# Altium PCB Lancelot.PcbDoc (part 3 of 14)
Units mil, origin at the board's own origin, x right, y up, seen from the top; angles counter-clockwise.
Board outline 4837.61 x 3252.61 mil, 6 copper layers (Top Layer, Mid-Layer 1, Mid-Layer 2, Mid-Layer 3, Mid-Layer 4, Bottom Layer); 372 components, 275 nets, 2062 pads, 1350 vias.
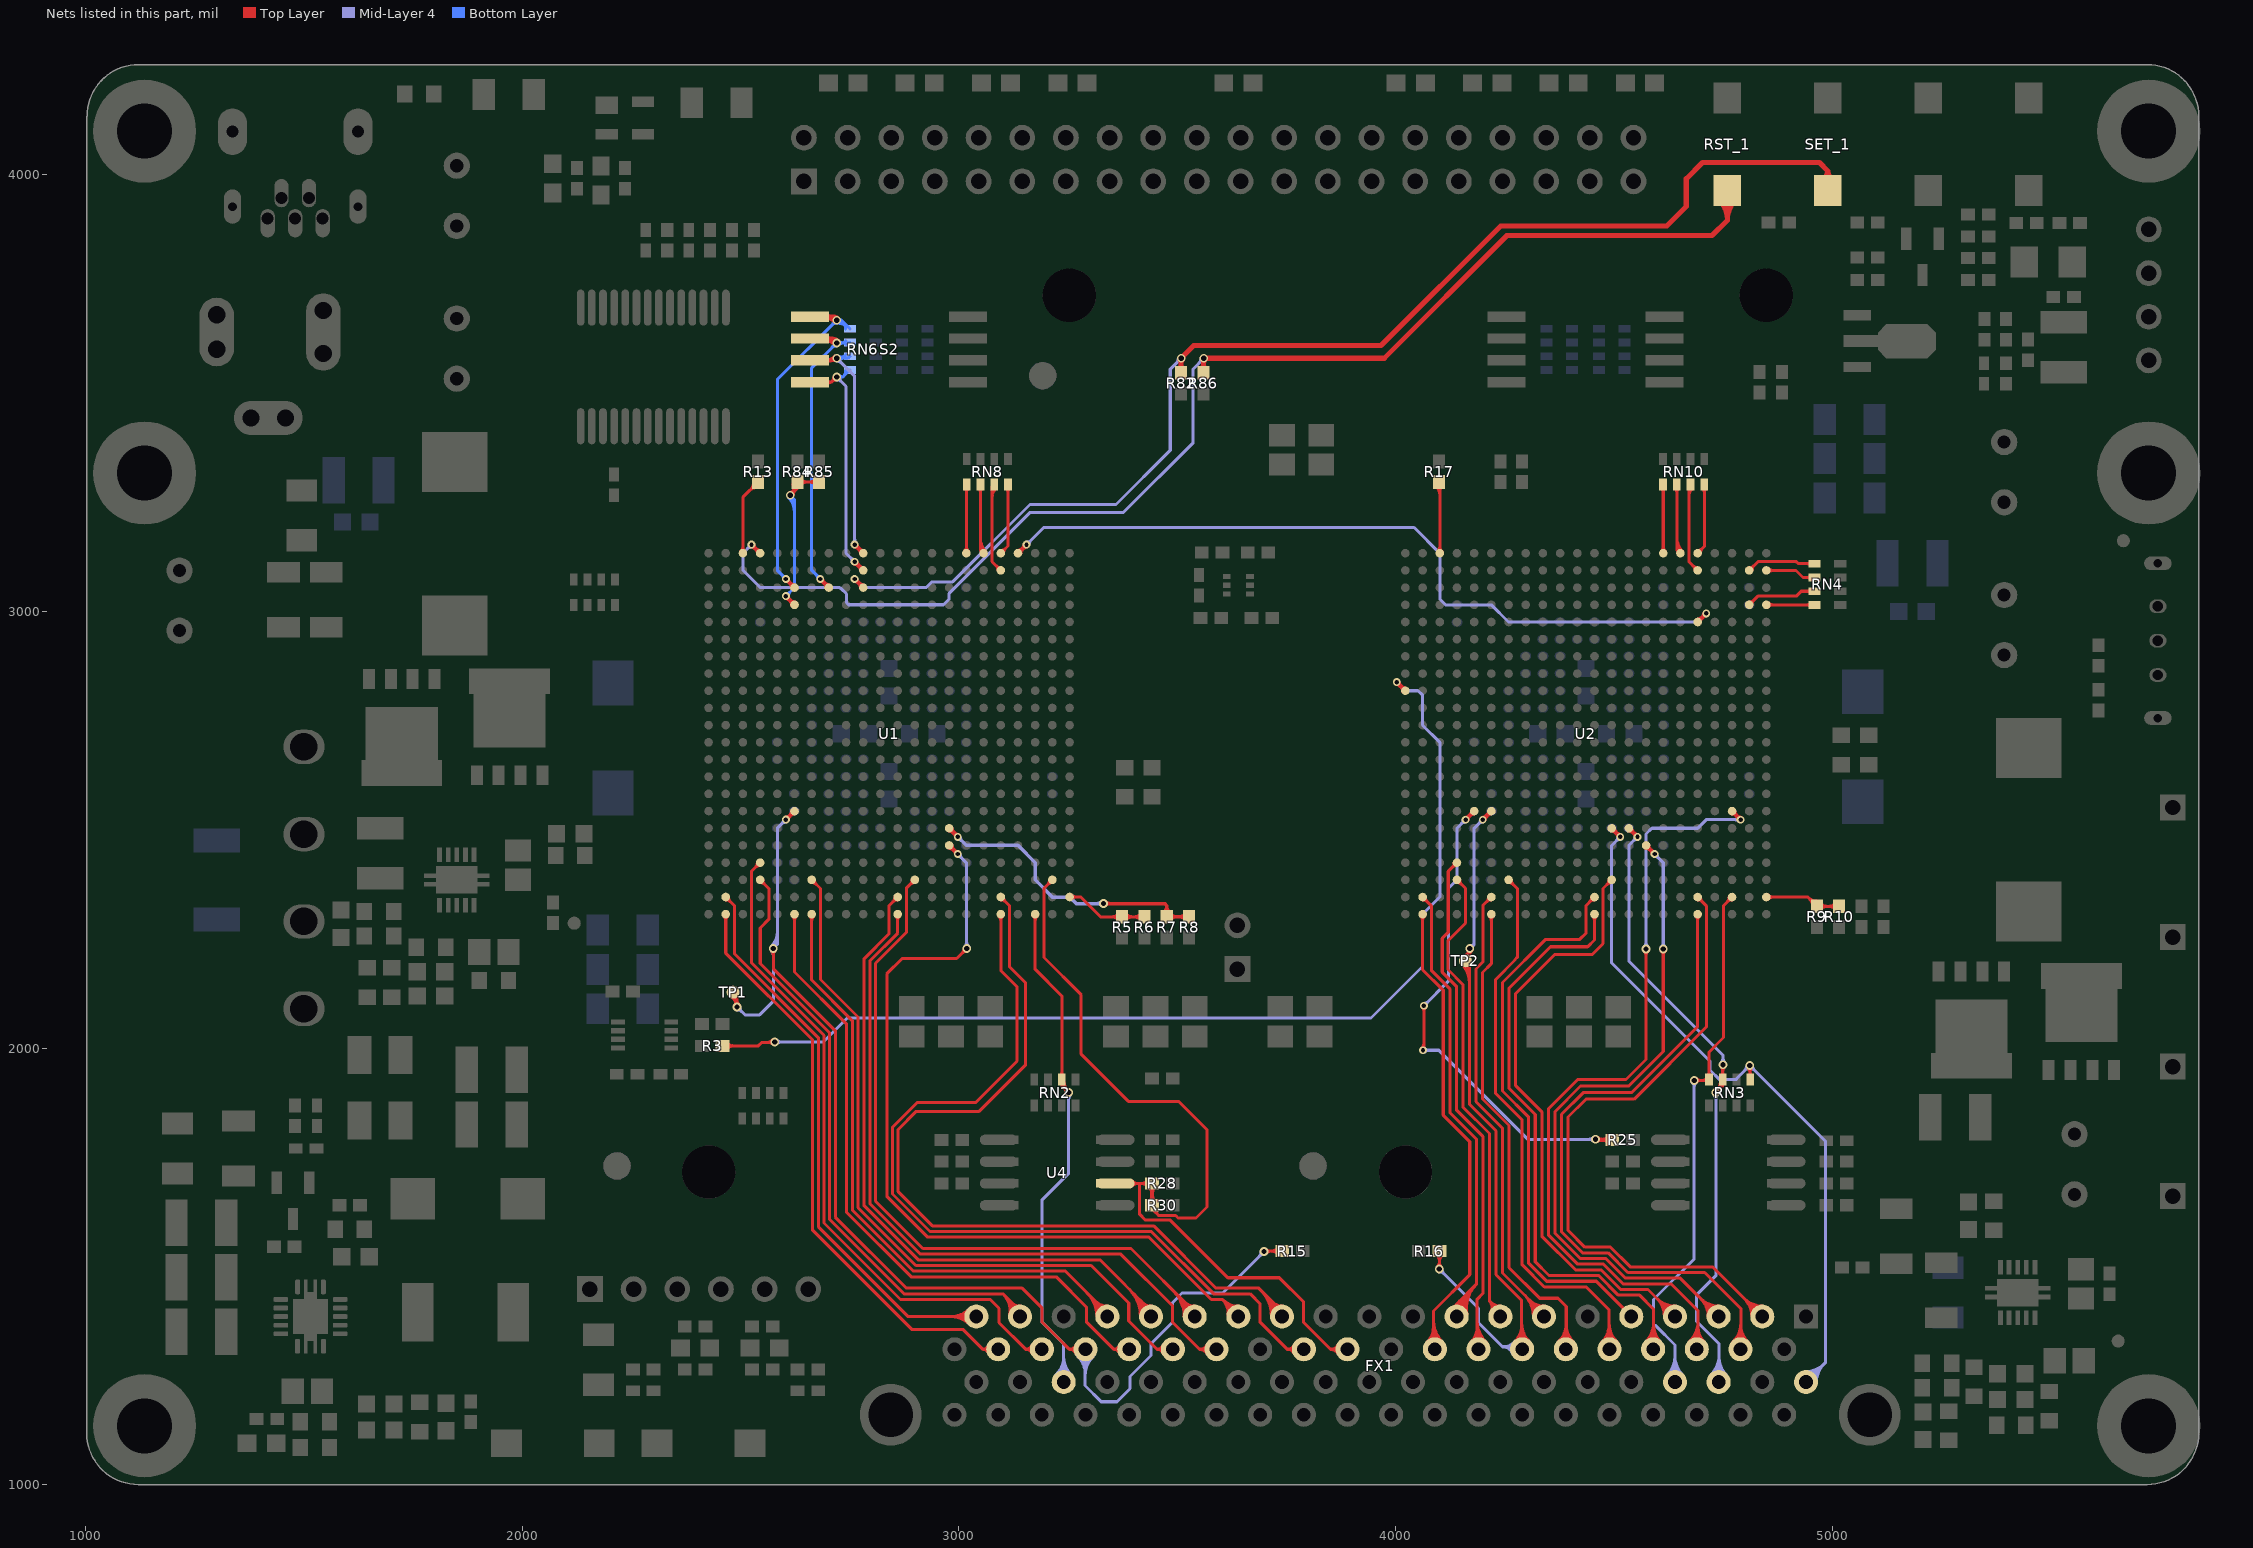
[diagram p7: the nets of this part, all layers, seen from the top]

## Via types
v1: diameter 18, hole 10, Top Layer to Bottom Layer, tented both sides, 625 vias
v2: diameter 20, hole 12, Top Layer to Bottom Layer, tented both sides, 515 vias
v3: diameter 32, hole 18, Top Layer to Bottom Layer, tented both sides, 191 vias
v4: diameter 23.62, hole 11.81, Top Layer to Bottom Layer, tented bottom, 10 vias
v5: diameter 19.68, hole 11.81, Top Layer to Bottom Layer, tented bottom, 4 vias
v6: diameter 118.11, hole 118.11, Top Layer to Bottom Layer, tented bottom, 2 vias
v7: diameter 78.74, hole 78.74, Top Layer to Bottom Layer, tented bottom, 2 vias
v8: diameter 50, hole 28, Top Layer to Bottom Layer, tented both sides, 1 vias

## Nets (pads, with @x,y where several pads share a name; then routed paths per layer and width w, separated by ;. In a path a pad name is that pad's centre, name@x,y a point inside that pad or via, vN(x,y) a via of type N, cw(c..) or ccw(c..) an arc to the next point about the centre after c; other vN are vias at no path point) (continued)
FPGA1_DQ4: FX1.32 U1.AB6 | length 1586
  Top Layer w7: U1.AB6@2618.98,2302.13 cw(c2608.15,2291.3) 2623.46,2291.3 cw(c2638.78,2291.3) U1.AB6@2627.95,2302.13 ; U1.AB6@2623.46,2306.61 2623.46,2174.11 2743,2054.57 2743,1623.61 2890.61,1476 3223,1476 3292,1407 3292,1373 3354.88,1310.12 ; FX1.32@3367.56,1301.43 ccw(c3354.88,1296.52) 3354.88,1310.12 ; FX1.32@3367.56,1318.81 cw(c3354.88,1323.72) 3354.88,1310.12 ; FX1.32@3390,1310.12 3354.88,1310.12
FPGA1_DQ5: FX1.36 U1.W4 | length 1602.7
  Top Layer w7: U1.W4@2538.38,2424.72 cw(c2523.07,2424.72) 2533.9,2413.9 cw(c2544.72,2403.07) U1.W4@2544.72,2418.38 ; U1.W4@2544.72,2424.72 2525,2405 2525,2195.15 2691,2029.15 2691,1599.24 2866.24,1424 3072,1424 3092,1404 3092,1371 3152.88,1310.12 ; FX1.36@3168.04,1300.3 ccw(c3152.88,1293.52) 3152.88,1310.12 ; FX1.36@3168.04,1319.94 cw(c3152.88,1326.72) 3152.88,1310.12 ; FX1.36@3190,1310.12 3152.88,1310.12
FPGA1_DQ6: FX1.37 U1.Y4 | length 1570.2
  Top Layer w7: U1.Y4@2544.72,2379.01 cw(c2544.72,2363.7) 2555.55,2374.53 cw(c2566.38,2385.35) U1.Y4@2551.07,2385.35 ; U1.Y4@2544.72,2385.35 2564.75,2365.33 2564.75,2294.75 2545,2275 2545,2193.54 2704,2034.54 2704,1607.45 2874.45,1437 3101,1437 ; 3110.59,1427.41 cw(c3078.68,1395.49) FX1.37@3123.18,1387.96 ; FX1.37@3116.28,1389.13 ccw(c3062.27,1398.27) 3101,1437 ; 3120.18,1417.82 cw(c3095.08,1392.72) FX1.37@3130.08,1386.8 ; 3120.92,1417.08 ccw(c3140,1436.16) FX1.37@3140,1409.18 ; FX1.37@3140,1385.12 3140,1398 3101,1437
FPGA1_DQ7: FX1.30 U1.Y7 | length 1733.8
  Top Layer w7: U1.Y7@2662.83,2379.01 cw(c2662.83,2363.7) 2673.66,2374.53 cw(c2684.49,2385.35) U1.Y7@2669.18,2385.35 ; U1.Y7@2662.83,2385.35 2682.86,2365.33 2682.86,2157.14 2769,2071 2769,1634.38 2901.38,1502 3303,1502 3389,1416 3389,1375 3453.88,1310.12 ; FX1.30@3467.8,1300.85 ccw(c3453.88,1295.04) 3453.88,1310.12 ; FX1.30@3467.8,1319.39 cw(c3453.88,1325.2) 3453.88,1310.12 ; FX1.30@3490,1310.12 3453.88,1310.12
FPGA1_DQ8: FX1.39 U1.AA2 | length 1470.1
  Top Layer w7: U1.AA2@2465.98,2339.64 cw(c2465.98,2324.33) 2476.81,2335.16 cw(c2487.64,2345.98) U1.AA2@2472.33,2345.98 ; U1.AA2@2465.98,2345.98 2486,2325.97 2486,2215.77 2678,2023.77 2678,1591.03 2884.03,1385 3039.88,1385 FX1.39@3040,1385.12 ; 2981.63,1385 ccw(c2981.63,1443.49) FX1.39@3022.99,1402.13 ; 2982.2,1385 cw(c2982.2,1327.32) FX1.39@3022.99,1368.11 ; 2998.53,1385 ccw(c2998.53,1426.59) FX1.39@3027.94,1397.18 ; 2999.1,1385 cw(c2999.1,1344.22) FX1.39@3027.94,1373.06
FPGA1_DQ9: FX1.38 U1.AB2 | length 1400.9
  Top Layer w7: U1.AB2@2461.5,2302.13 cw(c2450.67,2291.3) 2465.98,2291.3 cw(c2481.3,2291.3) U1.AB2@2470.47,2302.13 ; U1.AB2@2465.98,2306.61 2465.98,2217.4 2665,2018.38 2665,1582.81 2892.81,1355 3010,1355 3054.88,1310.12 ; FX1.38@3067.56,1301.43 ccw(c3054.88,1296.52) 3054.88,1310.12 ; FX1.38@3067.56,1318.81 cw(c3054.88,1323.72) 3054.88,1310.12 ; FX1.38@3090,1310.12 3054.88,1310.12
FPGA1_DQ10: FX1.27 U1.V15 | length 2128.3
  Top Layer w7: v2@3011.5,2228 cw(c2995.81,2228) 3006.9,2216.9 cw(c3018,2205.81) v2@3018,2221.5 ; v2(3018,2228) 2995,2205 2870,2205 2835,2170 2835,1660.3 2928.3,1567 3435.23,1567 3578.23,1424 3604,1424 ; 3614.04,1413.96 cw(c3591.56,1391.47) FX1.27@3623.09,1387.34 ; 3615.9,1412.1 ccw(c3639.85,1436.05) FX1.27@3639.95,1402.18 ; FX1.27@3616.15,1388.25 ccw(c3573.81,1393.8) 3604,1424 ; FX1.27@3639.93,1409.18 cw(c3639.78,1459.78) 3604,1424 ; FX1.27@3640,1385.12 3640,1388 3604,1424
  Top Layer w10: U1.V15@2977.8,2459.25 cw(c2977.8,2447.56) 2986.06,2455.83 cw(c2994.33,2464.09) U1.V15@2982.64,2464.09 ; U1.V15@2977.8,2464.09 v1(2997.48,2444.41) ; v1@2993.48,2444.41 ccw(c2983.82,2444.41) 2990.65,2451.24 ccw(c2997.48,2458.07) v1@2997.48,2448.41
  Mid-Layer 4 w7: v1@2997.48,2438.91 cw(c2997.48,2425.63) 3006.87,2435.02 cw(c3016.26,2444.41) v1@3002.98,2444.41 ; v1(2997.48,2444.41) 3017.17,2424.72 v2@3017.17,2228 ; v2@3013.4,2232.6 ccw(c3004.32,2241.68) 3017.17,2241.68 ; 3017.17,2245.71 ccw(c3035.71,2245.71) v2@3022.6,2232.6
FPGA1_DQ11: FX1.25 U1.AA18 | length 2148.4
  Top Layer w7: U1.AA18@3095.91,2339.64 cw(c3095.91,2324.33) 3106.73,2335.16 cw(c3117.56,2345.98) U1.AA18@3102.25,2345.98 ; U1.AA18@3095.91,2345.98 3115.93,2325.96 3115.93,2186.07 3153.03,2148.97 3153.03,1961.7 3046.3,1854.97 2902.36,1854.97 2861,1813.62 2861,1671.07 2939.07,1593 3446,1593 3589,1450 3687,1450 3740,1397 FX1.25@3740,1385.12 ; 3690.53,1446.47 cw(c3629.17,1385.12) FX1.25@3715.94,1385.12 ; 3702.48,1434.52 cw(c3653.07,1385.12) FX1.25@3722.94,1385.12 ; 3714.43,1422.57 cw(c3676.97,1385.12) FX1.25@3729.94,1385.12 ; 3719.21,1417.79 ccw(c3740,1438.58) FX1.25@3740,1409.18 ; 3726.38,1410.62 cw(c3700.87,1385.12) FX1.25@3736.94,1385.12
FPGA1_DQ12: FX1.24 U1.AB18 | length 2031.7
  Top Layer w7: U1.AB18@3091.42,2302.13 cw(c3080.59,2291.3) 3095.91,2291.3 cw(c3111.22,2291.3) U1.AB18@3100.39,2302.13 ; U1.AB18@3095.91,2306.61 3095.91,2177.77 3133,2140.68 3133,1970 3038,1875 2904,1875 2848,1819 2848,1665.69 2933.69,1580 3440.62,1580 3583.62,1437 3667,1437 3690,1414 3690,1372 3751.88,1310.12 ; FX1.24@3768.28,1299.77 ccw(c3751.88,1291.95) 3751.88,1310.12 ; FX1.24@3768.28,1320.47 cw(c3751.88,1328.28) 3751.88,1310.12 ; FX1.24@3790,1310.12 3751.88,1310.12
FPGA1_DQ13: FX1.29 U1.Y13 | length 1823.6
  Top Layer w7: U1.Y13@2892.71,2385.35 cw(c2877.4,2385.35) 2888.23,2374.53 cw(c2899.06,2363.7) U1.Y13@2899.06,2379.01 ; U1.Y13@2899.06,2385.35 2879.71,2366.01 2879.71,2264.71 2809,2194 2809,1649.53 2917.53,1541 3394,1541 3540,1395 FX1.29@3540,1385.12 ; 3491.94,1443.06 cw(c3434,1385.12) FX1.29@3515.94,1385.12 ; 3503.89,1431.11 cw(c3457.9,1385.12) FX1.29@3522.94,1385.12 ; 3515.8,1419.2 ccw(c3540,1443.4) FX1.29@3540,1409.18 ; 3515.84,1419.16 cw(c3481.8,1385.12) FX1.29@3529.94,1385.12
FPGA1_DQ14: FX1.31 U1.AA12 | length 1754.4
  Top Layer w7: U1.AA12@2853.34,2345.98 cw(c2838.03,2345.98) 2848.86,2335.16 cw(c2859.69,2324.33) U1.AA12@2859.69,2339.64 ; U1.AA12@2859.69,2345.98 2840,2326.3 2840,2261.77 2783,2204.77 2783,1638.76 2906.76,1515 3323,1515 3440,1398 FX1.31@3440,1385.12 ; 3389.82,1448.18 cw(c3326.76,1385.12) FX1.31@3415.94,1385.12 ; 3401.77,1436.23 cw(c3350.66,1385.12) FX1.31@3422.94,1385.12 ; 3413.72,1424.28 cw(c3374.56,1385.12) FX1.31@3429.94,1385.12 ; 3420.92,1417.08 ccw(c3440,1436.16) FX1.31@3440,1409.18 ; 3425.67,1412.33 cw(c3398.46,1385.12) FX1.31@3436.94,1385.12
FPGA1_DQ15: FX1.28 U1.AB12 | length 1742
  Top Layer w7: U1.AB12@2855.2,2302.13 cw(c2844.37,2291.3) 2859.69,2291.3 cw(c2875,2291.3) U1.AB12@2864.17,2302.13 ; U1.AB12@2859.69,2306.61 2859.69,2263.07 2796,2199.38 2796,1644.15 2912.15,1528 3371,1528 3489,1410 3489,1372 3550.88,1310.12 ; FX1.28@3568.53,1299.27 ccw(c3550.88,1290.35) 3550.88,1310.12 ; FX1.28@3568.53,1320.97 cw(c3550.88,1329.89) 3550.88,1310.12 ; FX1.28@3574.77,1302.42 ccw(c3562.26,1296.1) 3562.26,1310.12 ccw(c3562.26,1324.13) FX1.28@3574.77,1317.81 ; FX1.28@3590,1310.12 3550.88,1310.12
FPGA1_HSWAP: R13.2 U1.A3 | length 240.6
  Top Layer w7: U1.A3@2500.87,3137.87 ccw(c2490.81,3147.94) 2505.04,3147.94 ; U1.A3@2505.04,3133.7 2505.04,3261.42 R13.2@2540,3296.38 ; 2505.04,3149.46 ccw(c2521.43,3149.46) U1.A3@2509.84,3137.87 ; 2519.09,3275.47 cw(c2540,3254.56) R13.2@2540,3284.13 ; 2523.84,3280.22 ccw(c2509.66,3294.41) R13.2@2529.72,3294.41
  Top Layer w10: U1.A3@2505.04,3133.7 U1.A3@2505.35,3133.39
FPGA1_INIT: FX1.34 R15.2 TP1.1 U1.T6 | length 3310.4
  Top Layer w7: TP1.1@2477.33,2117.99 cw(c2463.08,2092.83) v2@2492,2092.83 ; TP1.1@2480.78,2124.08 cw(c2469.88,2104.84) 2492,2104.84 ; TP1.1@2483,2128 2492,2119 v2(2492,2094) ; v2@2486.47,2097.41 ccw(c2475.2,2104.37) 2487.99,2107.8 ccw(c2499.64,2110.92) v2@2494.68,2099.92 ; v2@2487.4,2098.6 ccw(c2476.31,2109.69) 2492,2109.69 ccw(c2507.69,2109.69) v2@2496.6,2098.6 ; v2@2570.4,2223.4 cw(c2559.31,2212.31) 2575,2212.31 cw(c2590.69,2212.31) v2@2579.6,2223.4 ; v2(2575,2228) 2575,2181.92 2717,2039.92 2717,1612.84 2879.84,1450 3145,1450 3190,1405 3190,1373 3252.88,1310.12 ; FX1.34@3268.04,1300.3 ccw(c3252.88,1293.52) 3252.88,1310.12 ; FX1.34@3268.04,1319.94 cw(c3252.88,1326.72) 3252.88,1310.12 ; FX1.34@3290,1310.12 3252.88,1310.12 ; v2(3699,1534) 3700,1535 R15.2@3740.38,1535 ; v2@3703.6,1529.4 cw(c3717.11,1515.89) 3717.11,1535 ; v2@3703.6,1538.6 ccw(c3712.28,1547.28) 3712.28,1535 ; R15.2@3731.14,1527.73 ccw(c3713.59,1510.18) 3713.59,1535 ccw(c3713.59,1559.82) R15.2@3731.14,1542.27
  Top Layer w10: v1(2603.78,2523.15) U1.T6@2623.46,2542.83 ; v1@2603.78,2527.15 ccw(c2603.78,2536.81) 2610.61,2529.98 ccw(c2617.44,2523.15) v1@2607.78,2523.15 ; U1.T6@2618.62,2542.83 cw(c2606.93,2542.83) 2615.2,2534.57 cw(c2623.46,2526.3) U1.T6@2623.46,2537.99
  Mid-Layer 4 w7: v2@2492,2087.5 cw(c2492,2071.81) 2503.1,2082.9 cw(c2514.19,2094) v2@2498.5,2094 ; v2(2492,2094) 2510,2076 2543.58,2076 2575,2107.42 v2(2575,2228) 2584.09,2237.09 2584.09,2503.46 v1(2603.78,2523.15) ; v2@2570.4,2223.4 cw(c2559.31,2212.31) 2575,2212.31 cw(c2590.69,2212.31) v2@2579.6,2223.4 ; v2@2570.4,2232.6 ccw(c2537.35,2265.65) 2584.09,2265.65 ; v2@2575.35,2227.65 ccw(c2554.25,2248.75) 2584.09,2248.75 ; v1@2598.28,2523.15 cw(c2585,2523.15) 2594.39,2513.76 cw(c2603.78,2504.37) v1@2603.78,2517.65 ; FX1.34@3272.99,1293.11 cw(c3234.33,1254.45) 3289,1254.45 ; FX1.34@3277.94,1298.06 cw(c3251.23,1271.35) 3289,1271.35 ; 3289,1249.62 cw(c3350.5,1249.62) FX1.34@3307.01,1293.11 ; 3289,1266.52 cw(c3333.6,1266.52) FX1.34@3302.06,1298.06 ; FX1.34@3290,1310.12 3289,1309.12 3289,1227 3326,1190 3362,1190 3392,1220 3392,1248 3440,1296 3440,1323 3489,1372 3489,1417 3511,1439 3604,1439 v2(3699,1534) ; v2@3692.5,1534 cw(c3676.81,1534) 3687.9,1522.9 cw(c3699,1511.81) v2@3699,1527.5
FPGA1_LED1: RN8.5 U1.A16 | length 200.9
  Top Layer w7: U1.A16@3012.68,3137.87 ccw(c3001.85,3148.7) 3017.17,3148.7 ccw(c3032.48,3148.7) U1.A16@3021.65,3137.87 ; RN8.5@3013.97,3281.76 cw(c3006.25,3274.04) 3017.17,3274.04 ; U1.A16@3017.17,3133.39 RN8.5@3017.17,3289.88 ; 3017.17,3271.19 cw(c3032.12,3271.19) RN8.5@3021.54,3281.76
FPGA1_LED2: RN8.6 U1.A17 | length 241.7
  Top Layer w7: RN8.6@3045.46,3281.76 cw(c3036.32,3272.62) 3049.25,3272.62 cw(c3062.19,3272.62) RN8.6@3053.04,3281.76 ; 3049.25,3149.38 ccw(c3072.53,3149.38) U1.A17@3056.07,3132.92 ; 3049.25,3166.28 ccw(c3089.43,3166.28) U1.A17@3061.02,3137.87 ; RN8.6@3049.25,3290.47 3049.25,3140.67 ; U1.A17@3050.51,3135.37 ccw(c3045.58,3137) 3049.25,3140.67 ; U1.A17@3054.55,3139.41 cw(c3052.92,3144.34) 3049.25,3140.67 ; U1.A17@3056.54,3133.39 3049.25,3140.67
FPGA1_LED3: RN8.7 U1.B18 | length 256.5
  Top Layer w7: 3076,3261.15 cw(c3105.15,3261.15) RN8.7@3084.54,3281.76 ; RN8.7@3076,3278.05 cw(c3088.25,3278.05) RN8.7@3079.59,3286.71 ; RN8.7@3076,3285.72 3076,3113.92 U1.B18@3095.91,3094.02 ; U1.B18@3089.56,3094.02 ccw(c3074.25,3094.02) 3085.08,3104.84 ccw(c3095.91,3115.67) U1.B18@3095.91,3100.36
FPGA1_LED4: RN8.8 U1.A18 | length 208.2
  Top Layer w7: U1.A18@3095.91,3133.39 3112.24,3149.72 RN8.8@3112.24,3290.47 ; U1.A18@3095.91,3139.73 ccw(c3095.91,3155.04) 3106.73,3144.21 ccw(c3117.56,3133.39) U1.A18@3102.25,3133.39 ; RN8.8@3108.46,3281.76 cw(c3099.31,3272.62) 3112.24,3272.62 cw(c3125.18,3272.62) RN8.8@3116.03,3281.76
FPGA1_M0: R5.2 R6.2 U1.AA22 | length 331.4
  Top Layer w7: U1.AA22@3253.39,2345.98 3279.02,2345.98 3324.38,2300.62 R5.2@3374,2300.62 R6.2@3425,2300.62 ; U1.AA22@3257.87,2341.5 cw(c3268.7,2330.67) 3268.7,2345.98 cw(c3268.7,2361.3) U1.AA22@3257.87,2350.47 ; R5.2@3366.73,2293.35 ccw(c3349.18,2275.81) 3349.18,2300.62 ccw(c3349.18,2325.44) R5.2@3366.73,2307.89 ; R5.2@3381.27,2293.35 cw(c3398.82,2275.81) 3398.82,2300.62 cw(c3398.82,2325.44) R5.2@3381.27,2307.89 ; R6.2@3417.73,2293.35 ccw(c3400.18,2275.81) 3400.18,2300.62 ccw(c3400.18,2325.44) R6.2@3417.73,2307.89
FPGA1_M1: R7.2 R8.2 U1.U15 | length 880.1
  Top Layer w8: v2(3331,2331) 3471,2331 3476,2326 ; v2@3335.24,2326.76 cw(c3345.49,2316.51) 3345.49,2331 cw(c3345.49,2345.49) v2@3335.24,2335.24 ; R7.2@3469.13,2309.55 ccw(c3452.87,2326) 3476,2326 ; R7.2@3482.87,2309.55 cw(c3499.13,2326) 3476,2326 ; R7.2@3482.92,2293.71 cw(c3499.61,2277.01) 3499.61,2300.62 cw(c3499.61,2324.23) R7.2@3482.92,2307.54 ; R8.2@3520.08,2293.71 ccw(c3503.39,2277.01) 3503.39,2300.62 ccw(c3503.39,2324.23) R8.2@3520.08,2307.54 ; R8.2@3527,2300.62 R7.2@3476,2300.62 3476,2326
  Top Layer w10: U1.U15@2977.8,2498.62 cw(c2977.8,2486.93) 2986.06,2495.2 cw(c2994.33,2503.46) U1.U15@2982.64,2503.46 ; U1.U15@2977.8,2503.46 v1(2997.48,2483.78) ; v1@2993.48,2483.78 ccw(c2983.82,2483.78) 2990.65,2490.61 ccw(c2997.48,2497.44) v1@2997.48,2487.78
  Mid-Layer 4 w8: v1@2997.48,2478.78 cw(c2997.48,2467.34) 3005.57,2475.43 ; v1(2997.48,2483.78) 2997.48,2483.52 3016.91,2464.09 3135.28,2464.09 3174.65,2424.72 3174.65,2385.35 3214.02,2345.98 3253.39,2345.98 3268.37,2331 v2(3331,2331) ; v1@3002.48,2483.78 ccw(c3015.18,2483.78) 3006.2,2474.8 ; v2@3326.76,2326.76 ccw(c3316.51,2316.51) 3316.51,2331 ccw(c3316.51,2345.49) v2@3326.76,2335.24
FPGA1_RDWR_B: FX1.33 U1.AB7 | length 1619.8
  Top Layer w7: U1.AB7@2658.35,2302.13 cw(c2647.52,2291.3) 2662.83,2291.3 cw(c2678.15,2291.3) U1.AB7@2667.32,2302.13 ; U1.AB7@2662.83,2306.61 2662.83,2155.95 2756,2062.79 2756,1628.99 2895.99,1489 3244,1489 3340,1393 FX1.33@3340,1385.12 ; 3293.36,1439.64 cw(c3238.83,1385.12) FX1.33@3315.94,1385.12 ; 3305.31,1427.7 cw(c3262.73,1385.12) FX1.33@3322.94,1385.12 ; 3312.38,1420.62 ccw(c3340,1448.23) FX1.33@3340,1409.18 ; 3317.25,1415.75 cw(c3286.63,1385.12) FX1.33@3329.94,1385.12 ; 3324.33,1408.67 ccw(c3340,1424.33) FX1.33@3340,1402.18
FPGA1_SCK: FX1.22 R28.2 R30.1 U1.Y21 U4.6 | length 2240.8
  Top Layer w7: U1.Y21@3207.67,2385.35 cw(c3192.36,2385.35) 3203.19,2374.53 cw(c3214.02,2363.7) U1.Y21@3214.02,2379.01 ; U1.Y21@3214.02,2385.35 3194.67,2366.01 3194.67,2207.33 3280,2122 3280,1986 3388,1878 3503,1878 3568,1813 3568,1636 3543,1611 3502,1611 3496.38,1616.62 3457,1616.62 ; U4.6@3358.86,1690 3414,1690 ; U4.6@3396.23,1684.12 cw(c3410.42,1669.94) 3410.42,1690 cw(c3410.42,1710.06) U4.6@3396.23,1695.88 ; R28.2@3433.14,1682.73 ccw(c3415.59,1665.18) 3415.59,1690 ccw(c3415.59,1714.82) R28.2@3433.14,1697.27 ; R30.1@3442.38,1640 3442.38,1631.24 3457,1616.62 ; R28.2@3442.38,1690 3414,1690 ; R30.1@3447.32,1638.61 ccw(c3459.27,1633.02) 3449.94,1623.68 ; R30.1@3453.66,1635.64 ccw(c3468.89,1628.52) 3457,1616.62 ; FX1.22@3868.53,1299.27 ccw(c3850.88,1290.35) 3850.88,1310.12 ; FX1.22@3868.53,1320.97 cw(c3850.88,1329.89) 3850.88,1310.12 ; FX1.22@3874.77,1302.42 ccw(c3862.26,1296.1) 3862.26,1310.12 ccw(c3862.26,1324.13) FX1.22@3874.77,1317.81 ; FX1.22@3890,1310.12 3850.88,1310.12 ; 3414,1690 3414,1619.17 3427.17,1606 3484,1606 3616,1474 3734,1474 3789,1419 3789,1372 3850.88,1310.12
  Top Layer w10: R30.1@3436.17,1646.21 ccw(c3421.18,1661.2) 3442.38,1661.2 ccw(c3463.57,1661.2) R30.1@3448.59,1646.21 ; R28.2@3436.17,1683.79 cw(c3421.18,1668.8) 3442.38,1668.8 cw(c3463.57,1668.8) R28.2@3448.59,1683.79 ; R30.1@3442.38,1640 R28.2@3442.38,1690
FPGA1_SDI: FX1.75 RN2.6 U1.AB20 | length 1464.4
  Top Layer w7: U1.AB20@3170.16,2302.13 cw(c3159.33,2291.3) 3174.65,2291.3 cw(c3189.96,2291.3) U1.AB20@3179.13,2302.13 ; U1.AB20@3174.65,2306.61 3174.65,2180.35 3235.75,2119.25 RN2.6@3235.75,1927.53 3235.75,1913.74 v2(3251.5,1897.99) ; RN2.6@3231.96,1936.24 ccw(c3222.81,1945.38) 3235.75,1945.38 ccw(c3248.68,1945.38) RN2.6@3239.54,1936.24 ; RN2.6@3234.11,1922.61 ccw(c3251.55,1922.61) 3239.22,1910.27 ; RN2.6@3241.11,1922.61 ccw(c3275.45,1922.61) v2@3251.17,1898.32 ; 3243.4,1911.77 ccw(c3257.35,1919.82) v2@3253.18,1904.27 ; 3243.69,1911.27 cw(c3230.46,1903.63) v2@3245.22,1899.67 ; v2@3245,1897.99 ccw(c3229.3,1897.99) 3240.4,1909.09 ccw(c3251.5,1920.18) v2@3251.5,1904.49
  Mid-Layer 4 w7: FX1.75@3222.99,1252.13 ccw(c3181.92,1293.2) 3240,1293.2 ccw(c3298.08,1293.2) FX1.75@3257.01,1252.13 ; FX1.75@3227.94,1247.18 ccw(c3198.81,1276.3) 3240,1276.3 ccw(c3281.18,1276.3) FX1.75@3252.06,1247.18 ; FX1.75@3240,1235.12 3240,1323 3190,1373 3190,1651.78 3251.5,1713.28 v2(3251.5,1897.99) ; v2@3246.9,1893.39 cw(c3235.8,1882.3) 3251.5,1882.3 cw(c3267.19,1882.3) v2@3256.09,1893.39
FPGA1_SW1: R86.1 RST_1.1 U1.A4 | length 3298.6
  Top Layer w7: R86.1@3552.73,3555.86 ccw(c3532.77,3575.82) v2@3561,3575.82 ; v2@3555.59,3576.4 cw(c3542.39,3567.62) 3557.7,3563.52 ; v2@3556.4,3575.4 cw(c3545.31,3564.31) 3561,3564.31 cw(c3576.69,3564.31) v2@3565.6,3575.4 ; v2@3557.75,3574.37 cw(c3553.88,3567.67) 3561.35,3569.68 ; 3558.66,3567.08 cw(c3570.25,3563.98) v2@3564.25,3574.37 ; R86.1@3560,3546.62 3561,3547.62 v2(3561,3580) ; v2@3561,3570.99 ccw(c3582.4,3570.99) R86.1@3567.27,3555.86 ; 3562.82,3564.19 cw(c3574.36,3567.28) v2@3565.71,3575.52
  Top Layer w10: v1@2525.04,3149.07 cw(c2525.04,3139.41) 2531.87,3146.24 cw(c2538.7,3153.07) v1@2529.04,3153.07 ; v1(2525.04,3153.07) U1.A4@2544.72,3133.39 ; U1.A4@2539.88,3133.39 ccw(c2528.19,3133.39) 2536.46,3141.65 ccw(c2544.72,3149.92) U1.A4@2544.72,3138.23
  Top Layer w12: v2(3561,3580) 3974,3580 4254.93,3860.93 4724.93,3860.93 4760,3896 RST_1.1@4760,3963.7 ; RST_1.1@4741.97,3941.74 cw(c4698.45,3898.21) 4760,3898.21 cw(c4821.55,3898.21) RST_1.1@4778.03,3941.74 ; RST_1.1@4750.46,3950.22 cw(c4727.42,3927.18) 4760,3927.18 cw(c4792.58,3927.18) RST_1.1@4769.54,3950.22
  Mid-Layer 4 w7: v1@2519.54,3153.07 cw(c2506.26,3153.07) 2515.65,3143.68 cw(c2525.04,3134.29) v1@2525.04,3147.57 ; v1(2525.04,3153.07) 2505.35,3133.39 2505.35,3094.02 2544.72,3054.65 2726.82,3054.65 2728,3053.46 2729.55,3053.46 2742.76,3040.25 2742.76,3020.24 2747.72,3015.28 2964.59,3015.28 2977.8,3028.48 2977.8,3041.44 3163.36,3227 3377,3227 3536.38,3386.38 3536.38,3555.38 v2(3561,3580) ; v2@3554.5,3580 cw(c3538.81,3580) 3549.9,3568.9 cw(c3561,3557.81) v2@3561,3573.5
FPGA1_SW2: R84.1 R85.2 U1.D6 | length 673.7
  Top Layer w7: v2@2612.34,3272.29 ccw(c2605.84,3297) R84.1@2627.97,3284.22 ; v2@2613.22,3272.45 ccw(c2612.05,3282.14) 2620.5,3277.26 ccw(c2628.95,3272.38) v2@2619.98,3268.55 ; v2@2614,3272.5 ccw(c2614,3288.19) 2625.1,3277.1 ccw(c2636.19,3266) v2@2620.5,3266 ; v2@2615.44,3272.34 ccw(c2616.98,3279.14) 2623.02,3275.65 ; R84.1@2620.2,3291.32 cw(c2596.24,3283.76) v2(2614,3266) 2633,3285 R84.1@2633,3296.38 ; 2622.16,3274.16 ccw(c2608.64,3287.68) R84.1@2626.87,3293.42 ; R84.1@2630,3296.38 R84.1@2633,3296.38 ; R84.1@2637.27,3289.11 cw(c2654.82,3271.56) 2654.82,3296.38 cw(c2654.82,3321.19) R84.1@2637.27,3303.65 ; R85.2@2672.73,3289.11 ccw(c2655.18,3271.56) 2655.18,3296.38 ccw(c2655.18,3321.19) R85.2@2672.73,3303.65 ; R85.2@2680,3296.38 R84.1@2633,3296.38
  Top Layer w10: v1@2603.78,3030.96 cw(c2603.78,3021.3) 2610.61,3028.13 cw(c2617.44,3034.96) v1@2607.78,3034.96 ; v1(2603.78,3034.96) U1.D6@2623.46,3015.28 ; U1.D6@2618.62,3015.28 ccw(c2606.93,3015.28) 2615.2,3023.54 ccw(c2623.46,3031.81) U1.D6@2623.46,3020.12
  Bottom Layer w7: v1(2603.78,3034.96) 2623.46,3054.65 2623.46,3256.54 v2(2614,3266) ; v1@2603.78,3040.46 ccw(c2603.78,3053.74) 2613.17,3044.35 ccw(c2622.56,3034.96) v1@2609.28,3034.96 ; v2@2609.4,3261.4 cw(c2575.46,3227.46) 2623.46,3227.46 ; v2@2614.35,3266.35 cw(c2592.36,3244.36) 2623.46,3244.36
FPGA1_SW3: RN6.8 S2.1 U1.C6 | length 1036.6
  Top Layer w10: v1@2603.78,3070.33 cw(c2603.78,3060.67) 2610.61,3067.5 cw(c2617.44,3074.33) v1@2607.78,3074.33 ; v1(2603.78,3074.33) U1.C6@2623.46,3054.65 ; U1.C6@2618.62,3054.65 ccw(c2606.93,3054.65) 2615.2,3062.91 ccw(c2623.46,3071.18) U1.C6@2623.46,3059.49 ; S2.1@2658.9,3675 2712,3675 ; S2.1@2688.62,3675 cw(c2688.62,3635.62) v2@2716.46,3663.46 ; S2.1@2695.21,3670.18 cw(c2706.84,3658.56) 2706.84,3675 cw(c2706.84,3691.44) S2.1@2695.21,3679.82 ; 2712.76,3675 cw(c2712.76,3659.76) v2@2723.54,3670.54 ; v2@2715.01,3667.23 ccw(c2704.72,3667.72) 2712,3675 ; v2@2719.77,3671.99 cw(c2719.28,3682.28) 2712,3675 ; v2(2720,3667) 2712,3675
  Bottom Layer w7: v1@2598.28,3074.33 ccw(c2585,3074.33) 2594.39,3083.72 ccw(c2603.78,3093.11) v1@2603.78,3079.83 ; v1(2603.78,3074.33) 2584.09,3094.02 2584.09,3531.09 v2(2720,3667) 2730.72,3667 ; v2@2713.5,3667 cw(c2697.81,3667) 2708.9,3655.9 cw(c2720,3644.81) 2720,3660.5 cw(c2720,3618.94) RN6.8@2749.39,3648.33 ; v2@2720,3667.5 cw(c2720,3642.84) 2737.44,3660.28 ; v2@2725.76,3664 cw(c2730.72,3661.42) 2730.72,3667 ; v2@2725.76,3670 ccw(c2730.72,3672.58) 2730.72,3667 ; 2732.92,3664.79 cw(c2715.38,3647.24) RN6.8@2740.19,3647.24 ; RN6.8@2750.47,3647.24 2730.72,3667